# Altium PCB Mahdian_UIR.PcbDoc (part 3 of 3)
Units mm, origin at the board's own origin, x right, y up, seen from the top; angles counter-clockwise.
Board outline 116.21 x 95.88 mm, 2 copper layers (Top Layer, Bottom Layer); 77 components, 53 nets, 216 pads, 0 vias.
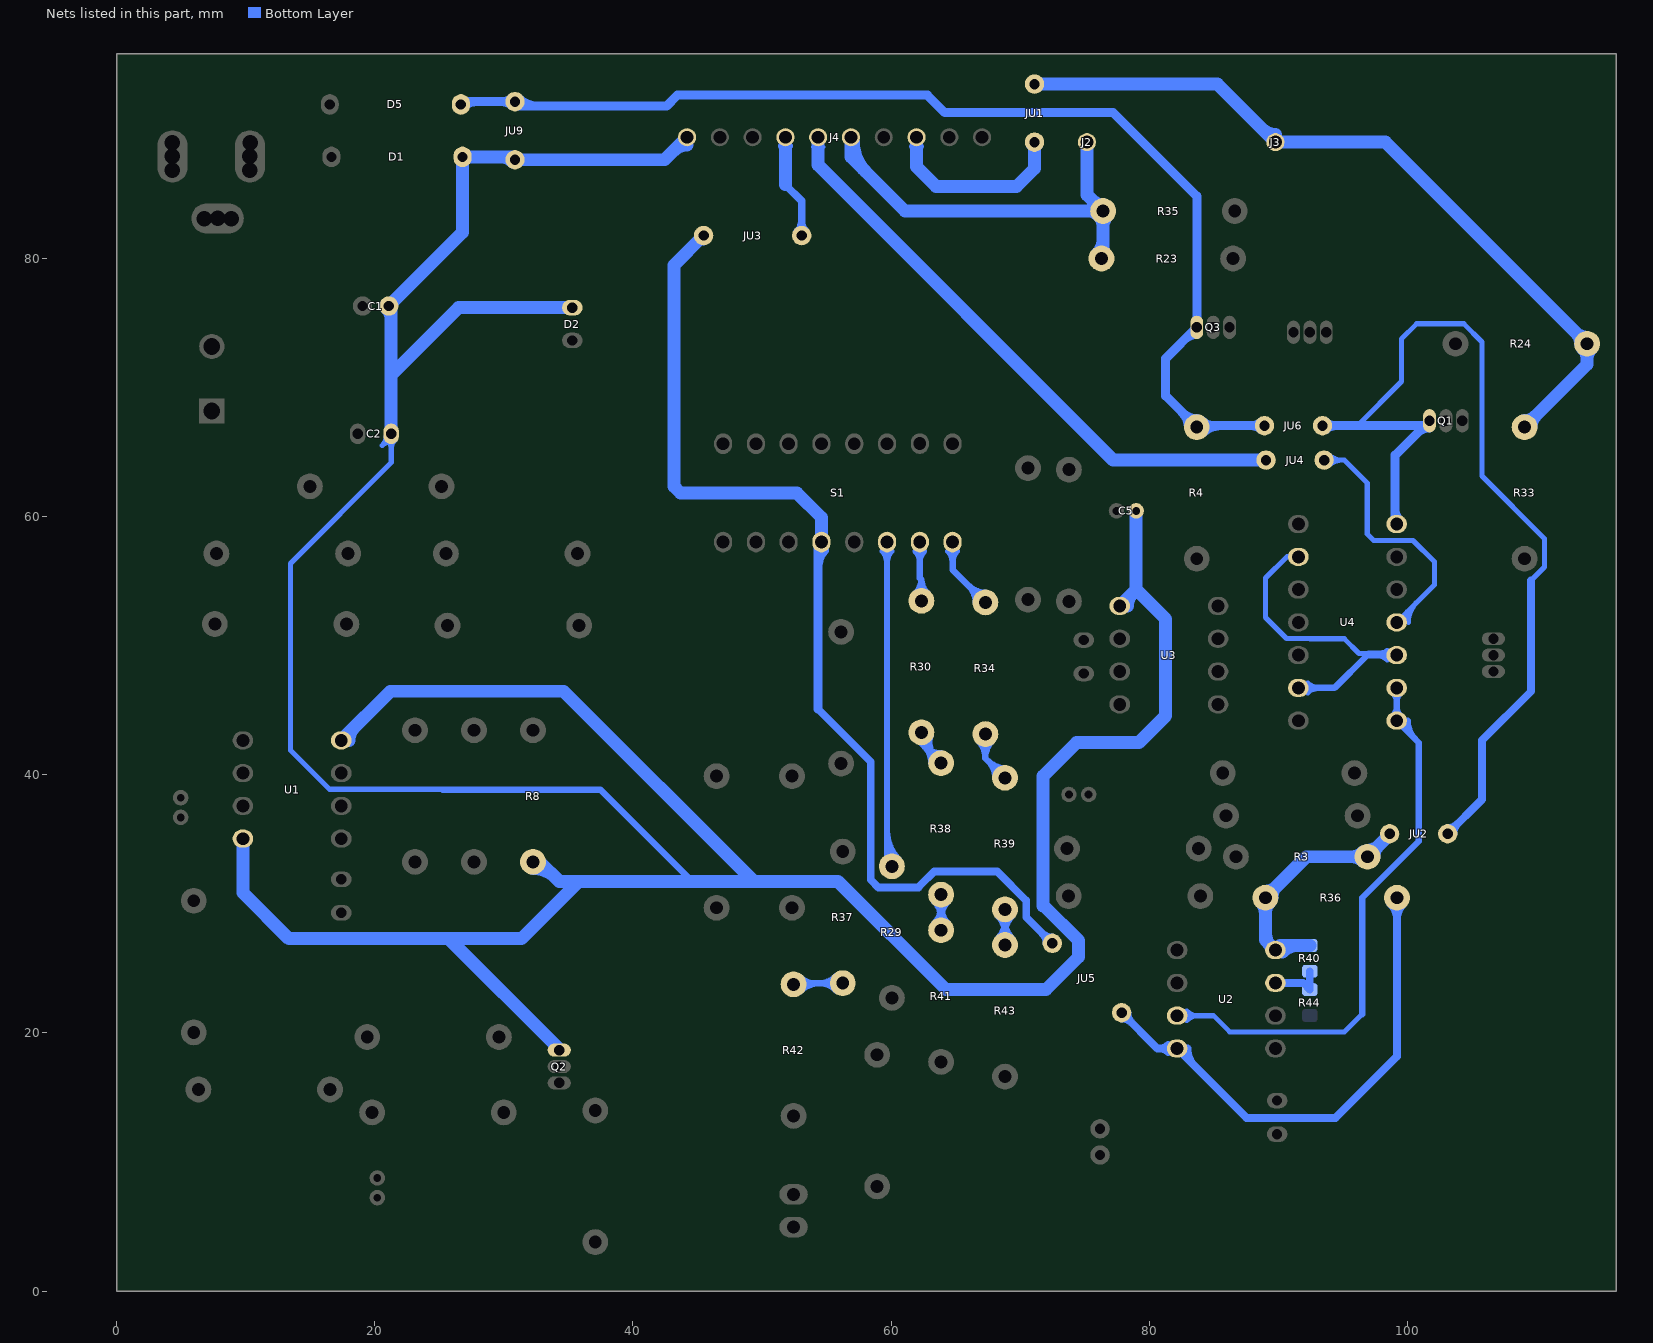
[diagram p3: the nets of this part, all layers, seen from the top]

## Nets (pads, with @x,y where several pads share a name; then routed paths per layer and width w, separated by ;. In a path a pad name is that pad's centre, name@x,y a point inside that pad or via, vN(x,y) a via of type N, cw(c..) or ccw(c..) an arc to the next point about the centre after c; other vN are vias at no path point) (continued)
NetR29_2: R29.2 S1.14 | length 47.9
  Bottom Layer w0.5: S1.14@59.69,58.039 59.69,33.294 R29.2@60.071,32.913 ; S1.14@59.372,57.321 cw(c58.604,56.553) 59.69,56.553 ; S1.14@59.372,57.321 cw(c58.604,56.553) 59.69,56.553 ; S1.14@59.372,57.321 cw(c58.604,56.553) 59.69,56.553 ; S1.14@59.372,57.321 cw(c58.604,56.553) 59.69,56.553 ; 59.69,34.436 ccw(c61.594,34.436) R29.2@60.248,33.09 ; 59.69,34.436 ccw(c61.594,34.436) R29.2@60.248,33.09 ; 59.69,34.436 ccw(c61.594,34.436) R29.2@60.248,33.09 ; 59.69,34.436 ccw(c61.594,34.436) R29.2@60.248,33.09 ; 59.69,35.643 ccw(c62.801,35.643) R29.2@60.601,33.443 ; 59.69,35.643 ccw(c62.801,35.643) R29.2@60.601,33.443 ; 59.69,35.643 ccw(c62.801,35.643) R29.2@60.601,33.443 ; 59.69,35.643 ccw(c62.801,35.643) R29.2@60.601,33.443 ; 59.69,56.553 cw(c60.776,56.553) S1.14@60.008,57.321 ; 59.69,56.553 cw(c60.776,56.553) S1.14@60.008,57.321 ; 59.69,56.553 cw(c60.776,56.553) S1.14@60.008,57.321 ; 59.69,56.553 cw(c60.776,56.553) S1.14@60.008,57.321
NetR30_1: R30.1 R38.2 | length 27.4
  Bottom Layer w0.5: R30.1@62.357,43.287 62.357,42.438 R38.2@63.881,40.914 ; R30.1@62.593,43.205 ccw(c63.782,42.793) 62.892,41.903 ; R30.1@62.593,43.205 ccw(c63.782,42.793) 62.892,41.903 ; R30.1@62.593,43.205 ccw(c63.782,42.793) 62.892,41.903 ; R30.1@62.593,43.205 ccw(c63.782,42.793) 62.892,41.903 ; 62.601,42.194 cw(c61.32,40.914) R38.2@63.131,40.914 ; 62.601,42.194 ccw(c63.881,43.475) R38.2@63.881,41.664 ; 62.601,42.194 cw(c61.32,40.914) R38.2@63.131,40.914 ; 62.601,42.194 ccw(c63.881,43.475) R38.2@63.881,41.664 ; 62.601,42.194 cw(c61.32,40.914) R38.2@63.131,40.914 ; 62.601,42.194 ccw(c63.881,43.475) R38.2@63.881,41.664 ; 62.601,42.194 ccw(c63.881,43.475) R38.2@63.881,41.664 ; 62.601,42.194 cw(c61.32,40.914) R38.2@63.131,40.914 ; R30.1@63.066,43.041 ccw(c64.62,42.502) R38.2@63.456,41.339 ; R30.1@63.066,43.041 ccw(c64.62,42.502) R38.2@63.456,41.339 ; R30.1@63.066,43.041 ccw(c64.62,42.502) R38.2@63.456,41.339 ; R30.1@63.066,43.041 ccw(c64.62,42.502) R38.2@63.456,41.339
NetR30_2: R30.2 S1.15 | length 21.1
  Bottom Layer w0.5: S1.15@62.23,58.039 62.23,55.245 62.357,55.118 ; R30.2@62.357,53.487 62.357,55.118 ; R30.2@61.869,54.056 ccw(c60.959,55.118) 62.357,55.118 ; R30.2@61.869,54.056 ccw(c60.959,55.118) 62.357,55.118 ; R30.2@61.869,54.056 ccw(c60.959,55.118) 62.357,55.118 ; R30.2@61.869,54.056 ccw(c60.959,55.118) 62.357,55.118 ; S1.15@61.912,57.321 cw(c61.144,56.553) 62.23,56.553 ; S1.15@61.912,57.321 cw(c61.144,56.553) 62.23,56.553 ; S1.15@61.912,57.321 cw(c61.144,56.553) 62.23,56.553 ; S1.15@61.912,57.321 cw(c61.144,56.553) 62.23,56.553 ; 62.23,56.553 cw(c63.316,56.553) S1.15@62.548,57.321 ; 62.23,56.553 cw(c63.316,56.553) S1.15@62.548,57.321 ; 62.23,56.553 cw(c63.316,56.553) S1.15@62.548,57.321 ; 62.23,56.553 cw(c63.316,56.553) S1.15@62.548,57.321 ; 62.357,55.118 ccw(c63.755,55.118) R30.2@62.845,54.056 ; 62.357,55.118 ccw(c63.755,55.118) R30.2@62.845,54.056 ; 62.357,55.118 ccw(c63.755,55.118) R30.2@62.845,54.056 ; 62.357,55.118 ccw(c63.755,55.118) R30.2@62.845,54.056
NetR34_1: R34.1 R39.2 | length 26.8
  Bottom Layer w0.5: R34.1@67.31,43.16 67.31,41.295 R39.2@68.834,39.771 ; R34.1@66.78,42.63 cw(c65.499,41.349) 67.31,41.349 ; R34.1@66.78,42.63 cw(c65.499,41.349) 67.31,41.349 ; R34.1@66.78,42.63 cw(c65.499,41.349) 67.31,41.349 ; R34.1@66.78,42.63 cw(c65.499,41.349) 67.31,41.349 ; 67.31,41.349 cw(c69.121,41.349) R34.1@67.84,42.63 ; 67.31,41.349 cw(c69.121,41.349) R34.1@67.84,42.63 ; 67.31,41.349 cw(c69.121,41.349) R34.1@67.84,42.63 ; 67.31,41.349 cw(c69.121,41.349) R34.1@67.84,42.63 ; 67.554,41.051 cw(c66.273,39.771) R39.2@68.084,39.771 ; 67.554,41.051 ccw(c68.834,42.332) R39.2@68.834,40.521 ; 67.554,41.051 cw(c66.273,39.771) R39.2@68.084,39.771 ; 67.554,41.051 ccw(c68.834,42.332) R39.2@68.834,40.521 ; 67.554,41.051 cw(c66.273,39.771) R39.2@68.084,39.771 ; 67.554,41.051 ccw(c68.834,42.332) R39.2@68.834,40.521 ; 67.554,41.051 ccw(c68.834,42.332) R39.2@68.834,40.521 ; 67.554,41.051 cw(c66.273,39.771) R39.2@68.084,39.771
NetR34_2: R34.2 S1.16 | length 23.9
  Bottom Layer w0.5: S1.16@64.77,58.039 64.77,55.9 R34.2@67.31,53.36 ; S1.16@64.452,57.321 cw(c63.684,56.553) 64.77,56.553 ; S1.16@64.452,57.321 cw(c63.684,56.553) 64.77,56.553 ; S1.16@64.452,57.321 cw(c63.684,56.553) 64.77,56.553 ; S1.16@64.452,57.321 cw(c63.684,56.553) 64.77,56.553 ; 64.77,56.553 cw(c65.856,56.553) S1.16@65.088,57.321 ; 64.77,56.553 cw(c65.856,56.553) S1.16@65.088,57.321 ; 64.77,56.553 cw(c65.856,56.553) S1.16@65.088,57.321 ; 64.77,56.553 cw(c65.856,56.553) S1.16@65.088,57.321 ; 66.03,54.64 cw(c64.749,53.36) R34.2@66.56,53.36 ; 66.03,54.64 ccw(c67.31,55.921) R34.2@67.31,54.11 ; 66.03,54.64 cw(c64.749,53.36) R34.2@66.56,53.36 ; 66.03,54.64 ccw(c67.31,55.921) R34.2@67.31,54.11 ; 66.03,54.64 cw(c64.749,53.36) R34.2@66.56,53.36 ; 66.03,54.64 ccw(c67.31,55.921) R34.2@67.31,54.11 ; 66.03,54.64 ccw(c67.31,55.921) R34.2@67.31,54.11 ; 66.03,54.64 cw(c64.749,53.36) R34.2@66.56,53.36
NetR37_1: R37.1 R42.2 | length 26.7
  Bottom Layer w0.5: R42.2@52.491,23.729 R42.2@52.451,23.769 52.538,23.856 R37.1@56.261,23.856 ; R42.2@52.981,23.239 cw(c54.472,21.748) 54.472,23.856 ; R42.2@52.981,23.239 cw(c54.472,21.748) 54.472,23.856 ; R42.2@52.981,23.239 cw(c54.472,21.748) 54.472,23.856 ; R42.2@52.981,23.239 cw(c54.472,21.748) 54.472,23.856 ; R42.2@52.981,24.299 ccw(c54.052,25.37) 54.052,23.856 ; R42.2@52.981,24.299 ccw(c54.052,25.37) 54.052,23.856 ; R42.2@52.981,24.299 ccw(c54.052,25.37) 54.052,23.856 ; R42.2@52.981,24.299 ccw(c54.052,25.37) 54.052,23.856 ; 54.45,23.856 cw(c54.45,22.045) R37.1@55.731,23.326 ; 54.45,23.856 ccw(c54.45,25.667) R37.1@55.731,24.386 ; 54.45,23.856 cw(c54.45,22.045) R37.1@55.731,23.326 ; 54.45,23.856 ccw(c54.45,25.667) R37.1@55.731,24.386 ; 54.45,23.856 cw(c54.45,22.045) R37.1@55.731,23.326 ; 54.45,23.856 ccw(c54.45,25.667) R37.1@55.731,24.386 ; 54.45,23.856 ccw(c54.45,25.667) R37.1@55.731,24.386 ; 54.45,23.856 cw(c54.45,22.045) R37.1@55.731,23.326
NetR38_1: R38.1 R41.2 | length 25.5
  Bottom Layer w0.5: R41.2@63.881,27.96 R38.1@63.881,30.714 ; R41.2@63.351,28.49 ccw(c62.07,29.771) R38.1@63.881,29.771 ; R41.2@63.351,28.49 ccw(c62.07,29.771) R38.1@63.881,29.771 ; R41.2@63.351,28.49 ccw(c62.07,29.771) R38.1@63.881,29.771 ; R41.2@63.351,28.49 ccw(c62.07,29.771) R38.1@63.881,29.771 ; R38.1@63.351,30.184 cw(c62.07,28.903) R41.2@63.881,28.903 ; R38.1@63.351,30.184 cw(c62.07,28.903) R41.2@63.881,28.903 ; R38.1@63.351,30.184 cw(c62.07,28.903) R41.2@63.881,28.903 ; R38.1@63.351,30.184 cw(c62.07,28.903) R41.2@63.881,28.903 ; R41.2@63.881,28.903 cw(c65.692,28.903) R38.1@64.411,30.184 ; R41.2@63.881,28.903 cw(c65.692,28.903) R38.1@64.411,30.184 ; R41.2@63.881,28.903 cw(c65.692,28.903) R38.1@64.411,30.184 ; R41.2@63.881,28.903 cw(c65.692,28.903) R38.1@64.411,30.184 ; R38.1@63.881,29.771 ccw(c65.692,29.771) R41.2@64.411,28.49 ; R38.1@63.881,29.771 ccw(c65.692,29.771) R41.2@64.411,28.49 ; R38.1@63.881,29.771 ccw(c65.692,29.771) R41.2@64.411,28.49 ; R38.1@63.881,29.771 ccw(c65.692,29.771) R41.2@64.411,28.49
NetR39_1: R39.1 R43.2 | length 25.5
  Bottom Layer w0.5: R43.2@68.834,26.817 R39.1@68.834,29.571 ; R43.2@68.304,27.347 ccw(c67.023,28.628) R39.1@68.834,28.628 ; R43.2@68.304,27.347 ccw(c67.023,28.628) R39.1@68.834,28.628 ; R43.2@68.304,27.347 ccw(c67.023,28.628) R39.1@68.834,28.628 ; R43.2@68.304,27.347 ccw(c67.023,28.628) R39.1@68.834,28.628 ; R39.1@68.304,29.041 cw(c67.023,27.76) R43.2@68.834,27.76 ; R39.1@68.304,29.041 cw(c67.023,27.76) R43.2@68.834,27.76 ; R39.1@68.304,29.041 cw(c67.023,27.76) R43.2@68.834,27.76 ; R39.1@68.304,29.041 cw(c67.023,27.76) R43.2@68.834,27.76 ; R43.2@68.834,27.76 cw(c70.645,27.76) R39.1@69.364,29.041 ; R43.2@68.834,27.76 cw(c70.645,27.76) R39.1@69.364,29.041 ; R43.2@68.834,27.76 cw(c70.645,27.76) R39.1@69.364,29.041 ; R43.2@68.834,27.76 cw(c70.645,27.76) R39.1@69.364,29.041 ; R39.1@68.834,28.628 ccw(c70.645,28.628) R43.2@69.364,27.347 ; R39.1@68.834,28.628 ccw(c70.645,28.628) R43.2@69.364,27.347 ; R39.1@68.834,28.628 ccw(c70.645,28.628) R43.2@69.364,27.347 ; R39.1@68.834,28.628 ccw(c70.645,28.628) R43.2@69.364,27.347
NetR40_1: R40.1 R44.2 U2.7 | length 4.3
  Bottom Layer w0.6: U2.7@89.789,23.876 91.932,23.876 R44.2@92.456,23.352 R40.1@92.456,24.781
NetU2_3: U2.3 U4.8 U4.9 | length 70.9
  Bottom Layer w0.4: U2.3@82.169,21.336 85.002,21.336 86.252,20.086 95.143,20.086 96.52,21.463 ; U2.3@82.923,20.982 cw(c83.776,20.129) 83.776,21.336 ; U2.3@82.923,20.982 cw(c83.776,20.129) 83.776,21.336 ; U2.3@82.923,20.982 cw(c83.776,20.129) 83.776,21.336 ; U2.3@82.923,20.982 cw(c83.776,20.129) 83.776,21.336 ; U2.3@82.923,21.69 ccw(c83.776,22.543) 83.776,21.336 ; U2.3@82.923,21.69 ccw(c83.776,22.543) 83.776,21.336 ; U2.3@82.923,21.69 ccw(c83.776,22.543) 83.776,21.336 ; U2.3@82.923,21.69 ccw(c83.776,22.543) 83.776,21.336
  Bottom Layer w0.5: 96.52,21.463 96.52,30.48 100.887,34.847 100.887,42.496 U4.8@99.187,44.196 U4.9@99.187,46.736 ; U4.8@98.869,44.514 ccw(c98.101,45.282) 99.187,45.282 ; U4.8@98.869,44.514 ccw(c98.101,45.282) 99.187,45.282 ; U4.8@98.869,44.514 ccw(c98.101,45.282) 99.187,45.282 ; U4.8@98.869,44.514 ccw(c98.101,45.282) 99.187,45.282 ; U4.9@98.869,46.418 cw(c98.101,45.65) 99.187,45.65 ; U4.9@98.869,46.418 cw(c98.101,45.65) 99.187,45.65 ; U4.9@98.869,46.418 cw(c98.101,45.65) 99.187,45.65 ; U4.9@98.869,46.418 cw(c98.101,45.65) 99.187,45.65 ; 99.187,45.282 ccw(c100.273,45.282) U4.8@99.505,44.514 ; 99.187,45.282 ccw(c100.273,45.282) U4.8@99.505,44.514 ; 99.187,45.282 ccw(c100.273,45.282) U4.8@99.505,44.514 ; 99.187,45.282 ccw(c100.273,45.282) U4.8@99.505,44.514 ; 99.187,45.65 cw(c100.273,45.65) U4.9@99.505,46.418 ; 99.187,45.65 cw(c100.273,45.65) U4.9@99.505,46.418 ; 99.187,45.65 cw(c100.273,45.65) U4.9@99.505,46.418 ; 99.187,45.65 cw(c100.273,45.65) U4.9@99.505,46.418 ; U4.8@100.037,44.196 ccw(c102.089,44.196) 100.638,42.745 ; U4.8@100.037,44.196 ccw(c102.089,44.196) 100.638,42.745 ; U4.8@100.037,44.196 ccw(c102.089,44.196) 100.638,42.745 ; U4.8@100.037,44.196 ccw(c102.089,44.196) 100.638,42.745
NetU4_2: U4.2 U4.6 U4.10 | length 46.8
  Bottom Layer w0.4: U4.2@91.567,56.896 90.678,56.896 89.027,55.245 89.027,52.188 90.649,50.566 92.445,50.566 92.465,50.546 95.123,50.546 96.266,49.403 97.028,49.403
  Bottom Layer w0.5: U4.6@91.567,46.736 94.361,46.736 96.901,49.276 U4.10@99.187,49.276 99.06,49.403 97.028,49.403 ; U4.6@92.285,46.418 cw(c93.053,45.65) 93.053,46.736 ; U4.6@92.285,46.418 cw(c93.053,45.65) 93.053,46.736 ; U4.6@92.285,46.418 cw(c93.053,45.65) 93.053,46.736 ; U4.6@92.285,46.418 cw(c93.053,45.65) 93.053,46.736 ; U4.6@92.285,47.054 ccw(c93.053,47.822) 93.053,46.736 ; U4.6@92.285,47.054 ccw(c93.053,47.822) 93.053,46.736 ; U4.6@92.285,47.054 ccw(c93.053,47.822) 93.053,46.736 ; U4.6@92.285,47.054 ccw(c93.053,47.822) 93.053,46.736 ; 97.394,49.403 cw(c97.394,47.883) U4.10@98.469,48.958 ; 97.394,49.403 cw(c97.394,47.883) U4.10@98.469,48.958 ; 97.394,49.403 cw(c97.394,47.883) U4.10@98.469,48.958 ; 97.394,49.403 cw(c97.394,47.883) U4.10@98.469,48.958 ; 97.701,49.276 cw(c97.701,48.19) U4.10@98.469,48.958 ; 97.701,49.276 ccw(c97.701,50.362) U4.10@98.469,49.594 ; 97.701,49.276 cw(c97.701,48.19) U4.10@98.469,48.958 ; 97.701,49.276 ccw(c97.701,50.362) U4.10@98.469,49.594 ; 97.701,49.276 cw(c97.701,48.19) U4.10@98.469,48.958 ; 97.701,49.276 ccw(c97.701,50.362) U4.10@98.469,49.594 ; 97.701,49.276 ccw(c97.701,50.362) U4.10@98.469,49.594 ; 97.701,49.276 cw(c97.701,48.19) U4.10@98.469,48.958 ; 98.007,49.403 ccw(c98.007,50.056) U4.10@98.469,49.594 ; 98.007,49.403 ccw(c98.007,50.056) U4.10@98.469,49.594 ; 98.007,49.403 ccw(c98.007,50.056) U4.10@98.469,49.594 ; 98.007,49.403 ccw(c98.007,50.056) U4.10@98.469,49.594
VCC: C1.1 C2.2 C5.1 D1.2 D2.1 D5.2 J4.1 JU2.1 JU2.2 JU6.1 JU6.2 JU9.1 JU9.2 Q1.3 Q2.3 Q3.3 R3.2 R4.2 R8.1 R36.2 R40.2 U1.4 U1.8 U2.8 U3.1 U4.14 | length 625
  Bottom Layer w0.4: C2.2@21.269,66.421 21.269,64.195 13.462,56.388 13.462,41.901 16.481,38.882 25.253,38.882 25.273,38.862 ; 96.139,67.056 99.568,70.485 99.568,73.787 100.737,74.956 104.381,74.956 105.791,73.546 105.791,63.151 110.643,58.299 110.643,56.107 109.601,55.065 ; JU2.1@98.637,35.371 JU2.1@98.637,35.433 ; JU2.2@103.137,35.983 ccw(c103.137,37.311) 104.076,36.372 ccw(c105.015,35.433) JU2.2@103.687,35.433 ; 21.269,65.255 cw(c22.235,65.255) 21.552,65.938 ccw(c22.235,65.255) 21.269,65.255 ; 21.269,65.255 ccw(c20.303,65.255) 20.986,65.938 cw(c20.303,65.255) 21.269,65.255 ; 20.576,65.534 cw(c21.269,64.841) 21.269,65.821 ccw(c21.269,64.841) 20.576,65.534 ; 20.59,65.548 ccw(c19.918,66.221) 20.869,66.221 cw(c19.918,66.221) 20.59,65.548
  Bottom Layer w0.5: 25.273,38.862 37.465,38.862 44.577,31.75
  Bottom Layer w0.6: JU2.2@103.137,35.433 105.791,38.087 105.791,42.672 109.601,46.482 109.601,55.065 ; JU2.2@103.137,35.883 ccw(c103.137,36.969) 103.905,36.201 ; JU2.2@103.137,35.883 ccw(c103.137,36.969) 103.905,36.201 ; JU2.2@103.137,35.883 ccw(c103.137,36.969) 103.905,36.201 ; JU2.2@103.587,35.433 cw(c104.673,35.433) 103.905,36.201 ; JU2.2@103.587,35.433 cw(c104.673,35.433) 103.905,36.201 ; JU2.2@103.587,35.433 cw(c104.673,35.433) 103.905,36.201
  Bottom Layer w0.7: D5.2@26.67,91.948 26.888,92.166 JU9.2@30.861,92.166 ; JU9.2@30.861,91.821 42.603,91.821 43.449,92.667 62.813,92.667 64.167,91.313 77.216,91.313 83.693,84.836 Q3.3@83.693,74.676 81.28,72.263 81.28,69.362 R4.2@83.693,66.949 83.8,67.056 JU6.1@88.936,67.056 ; JU6.2@93.436,67.056 96.139,67.056 Q1.3@101.346,67.056 ; U4.14@99.187,59.436 99.06,59.563 99.06,64.77 Q1.3@101.346,67.056 ; Q1.3@101.727,67.437 Q1.3@101.346,67.056 ; D5.2@26.917,91.801 cw(c27.8,90.918) 27.8,92.166 ; D5.2@26.917,91.801 cw(c27.8,90.918) 27.8,92.166 ; D5.2@26.917,91.801 cw(c27.8,90.918) 27.8,92.166 ; D5.2@26.917,91.801 cw(c27.8,90.918) 27.8,92.166 ; 29.895,92.166 cw(c29.895,91.2) JU9.2@30.578,91.883 ; 29.895,92.166 ccw(c29.895,93.132) JU9.2@30.578,92.449 ; 29.895,92.166 cw(c29.895,91.2) JU9.2@30.578,91.883 ; 29.895,92.166 ccw(c29.895,93.132) JU9.2@30.578,92.449 ; 29.895,92.166 cw(c29.895,91.2) JU9.2@30.578,91.883 ; 29.895,92.166 ccw(c29.895,93.132) JU9.2@30.578,92.449 ; 29.895,92.166 ccw(c29.895,93.132) JU9.2@30.578,92.449 ; 29.895,92.166 cw(c29.895,91.2) JU9.2@30.578,91.883 ; JU9.2@31.144,92.449 ccw(c32.66,93.965) 32.66,91.821 ; JU9.2@31.144,92.449 ccw(c32.66,93.965) 32.66,91.821 ; JU9.2@31.144,92.449 ccw(c32.66,93.965) 32.66,91.821 ; JU9.2@31.144,92.449 ccw(c32.66,93.965) 32.66,91.821 ; 82.583,68.059 cw(c81.474,66.949) R4.2@83.043,66.949 ; 82.583,68.059 ccw(c83.693,69.168) R4.2@83.693,67.599 ; 82.583,68.059 cw(c81.474,66.949) R4.2@83.043,66.949 ; 82.583,68.059 ccw(c83.693,69.168) R4.2@83.693,67.599 ; 82.583,68.059 cw(c81.474,66.949) R4.2@83.043,66.949 ; 82.583,68.059 ccw(c83.693,69.168) R4.2@83.693,67.599 ; 82.583,68.059 ccw(c83.693,69.168) R4.2@83.693,67.599 ; 82.583,68.059 cw(c81.474,66.949) R4.2@83.043,66.949 ; 82.754,73.737 cw(c83.693,72.798) Q3.3@83.693,74.126 ; 82.754,73.737 cw(c83.693,72.798) Q3.3@83.693,74.126 ; 82.754,73.737 cw(c83.693,72.798) Q3.3@83.693,74.126 ; 82.754,73.737 cw(c83.693,72.798) Q3.3@83.693,74.126 ; R4.2@84.153,66.489 cw(c85.521,65.121) 85.521,67.056 ; R4.2@84.153,66.489 cw(c85.521,65.121) 85.521,67.056 ; R4.2@84.153,66.489 cw(c85.521,65.121) 85.521,67.056 ; R4.2@84.153,66.489 cw(c85.521,65.121) 85.521,67.056 ; R4.2@84.153,67.409 ccw(c85.004,68.26) 85.004,67.056 ; R4.2@84.153,67.409 ccw(c85.004,68.26) 85.004,67.056 ; R4.2@84.153,67.409 ccw(c85.004,68.26) 85.004,67.056 ; R4.2@84.153,67.409 ccw(c85.004,68.26) 85.004,67.056 ; 87.97,67.056 cw(c87.97,66.09) JU6.1@88.653,66.773 ; 87.97,67.056 ccw(c87.97,68.022) JU6.1@88.653,67.339 ; 87.97,67.056 cw(c87.97,66.09) JU6.1@88.653,66.773 ; 87.97,67.056 ccw(c87.97,68.022) JU6.1@88.653,67.339 ; 87.97,67.056 cw(c87.97,66.09) JU6.1@88.653,66.773 ; 87.97,67.056 ccw(c87.97,68.022) JU6.1@88.653,67.339 ; 87.97,67.056 ccw(c87.97,68.022) JU6.1@88.653,67.339 ; 87.97,67.056 cw(c87.97,66.09) JU6.1@88.653,66.773 ; JU6.2@93.719,66.773 cw(c94.402,66.09) 94.402,67.056 ; JU6.2@93.719,66.773 cw(c94.402,66.09) 94.402,67.056 ; JU6.2@93.719,66.773 cw(c94.402,66.09) 94.402,67.056 ; JU6.2@93.719,66.773 cw(c94.402,66.09) 94.402,67.056 ; JU6.2@93.719,67.339 ccw(c94.402,68.022) 94.402,67.056 ; JU6.2@93.719,67.339 ccw(c94.402,68.022) 94.402,67.056 ; JU6.2@93.719,67.339 ccw(c94.402,68.022) 94.402,67.056 ; JU6.2@93.719,67.339 ccw(c94.402,68.022) 94.402,67.056 ; 99.06,60.588 ccw(c100.339,60.588) U4.14@99.434,59.683 ; 99.06,60.588 ccw(c100.339,60.588) U4.14@99.434,59.683 ; 99.06,60.588 ccw(c100.339,60.588) U4.14@99.434,59.683 ; 99.06,60.588 ccw(c100.339,60.588) U4.14@99.434,59.683 ; 100.788,66.498 cw(c101.727,65.559) Q1.3@101.727,66.887 ; 100.788,66.498 cw(c101.727,65.559) Q1.3@101.727,66.887 ; 100.788,66.498 cw(c101.727,65.559) Q1.3@101.727,66.887 ; 100.788,66.498 cw(c101.727,65.559) Q1.3@101.727,66.887
  Bottom Layer w1: U1.4@9.779,35.052 9.779,30.861 13.335,27.305 25.734,27.305 ; U1.8@17.399,42.672 21.209,46.482 34.624,46.482 49.356,31.75 ; C2.2@21.269,66.421 21.269,70.993 ; R8.1@32.258,33.254 32.786,33.254 34.29,31.75 35.814,31.75 ; Q2.3@34.29,18.749 25.734,27.305 ; D2.1@35.306,76.2 26.476,76.2 21.269,70.993 ; J4.1@44.196,89.408 42.454,87.666 JU9.1@30.861,87.666 30.643,87.884 D1.2@26.797,87.884 26.797,82.042 C1.1@21.082,76.327 21.269,76.14 21.269,70.993 ; U3.1@77.724,53.086 78.994,54.356 ; C5.1@78.994,60.452 78.994,54.356 ; R40.2@92.456,26.781 90.154,26.781 U2.8@89.789,26.416 89.007,27.198 R36.2@89.007,30.48 92.182,33.655 R3.2@96.921,33.655 JU2.1@98.637,35.371 ; U1.8@17.999,42.672 cw(c19.448,42.672) 18.423,43.696 ; U1.8@17.999,42.672 cw(c19.448,42.672) 18.423,43.696 ; U1.8@17.999,42.672 cw(c19.448,42.672) 18.423,43.696 ; U1.8@17.999,42.672 cw(c19.448,42.672) 18.423,43.696 ; C1.1@20.905,76.15 cw(c20.027,75.272) 21.269,75.272 ; C1.1@20.905,76.15 cw(c20.027,75.272) 21.269,75.272 ; C1.1@20.905,76.15 cw(c20.027,75.272) 21.269,75.272 ; C1.1@20.905,76.15 cw(c20.027,75.272) 21.269,75.272 ; 25.734,27.305 31.369,27.305 35.814,31.75 ; 29.731,87.884 cw(c29.731,86.536) JU9.1@30.684,87.489 ; 29.731,87.884 cw(c29.731,86.536) JU9.1@30.684,87.489 ; 29.731,87.884 cw(c29.731,86.536) JU9.1@30.684,87.489 ; 29.731,87.884 cw(c29.731,86.536) JU9.1@30.684,87.489 ; R8.1@32.258,32.754 cw(c32.258,30.272) 34.013,32.027 ; R8.1@32.258,32.754 cw(c32.258,30.272) 34.013,32.027 ; R8.1@32.258,32.754 cw(c32.258,30.272) 34.013,32.027 ; R8.1@32.258,32.754 cw(c32.258,30.272) 34.013,32.027 ; 35.814,31.75 44.577,31.75 49.356,31.75 ; 43.172,88.384 cw(c44.196,87.359) J4.1@44.196,88.808 ; 43.172,88.384 cw(c44.196,87.359) J4.1@44.196,88.808 ; 43.172,88.384 cw(c44.196,87.359) J4.1@44.196,88.808 ; 43.172,88.384 cw(c44.196,87.359) J4.1@44.196,88.808 ; 49.356,31.75 55.88,31.75 64.262,23.368 72.009,23.368 74.526,25.885 74.526,27.178 71.859,29.845 71.79,29.845 71.79,39.917 74.371,42.498 79.201,42.498 81.28,44.577 81.28,52.07 78.994,54.356 ; U3.1@78.324,53.086 cw(c79.773,53.086) 78.748,54.11 ; U3.1@78.324,53.086 cw(c79.773,53.086) 78.748,54.11 ; U3.1@78.324,53.086 cw(c79.773,53.086) 78.748,54.11 ; U3.1@78.324,53.086 cw(c79.773,53.086) 78.748,54.11 ; R36.2@88.653,30.126 cw(c87.8,29.273) 89.007,29.273 ; R36.2@88.653,30.126 cw(c87.8,29.273) 89.007,29.273 ; R36.2@88.653,30.126 cw(c87.8,29.273) 89.007,29.273 ; R36.2@88.653,30.126 cw(c87.8,29.273) 89.007,29.273 ; 89.007,27.821 ccw(c90.794,27.821) U2.8@89.53,26.557 ; 89.007,27.821 ccw(c90.794,27.821) U2.8@89.53,26.557 ; 89.007,27.821 ccw(c90.794,27.821) U2.8@89.53,26.557 ; 89.007,27.821 ccw(c90.794,27.821) U2.8@89.53,26.557 ; 89.007,29.273 cw(c90.214,29.273) R36.2@89.361,30.126 ; 89.007,29.273 cw(c90.214,29.273) R36.2@89.361,30.126 ; 89.007,29.273 cw(c90.214,29.273) R36.2@89.361,30.126 ; 89.007,29.273 cw(c90.214,29.273) R36.2@89.361,30.126 ; R36.2@89.007,30.98 ccw(c89.007,32.187) 89.861,31.334 ; R36.2@89.007,30.98 ccw(c89.007,32.187) 89.861,31.334 ; R36.2@89.007,30.98 ccw(c89.007,32.187) 89.861,31.334 ; R36.2@89.007,30.98 ccw(c89.007,32.187) 89.861,31.334 ; R36.2@89.507,30.48 cw(c90.714,30.48) 89.861,31.334 ; R36.2@89.507,30.48 cw(c90.714,30.48) 89.861,31.334 ; R36.2@89.507,30.48 cw(c90.714,30.48) 89.861,31.334 ; R36.2@89.507,30.48 cw(c90.714,30.48) 89.861,31.334 ; U2.8@90.33,26.275 cw(c91.553,25.052) 91.553,26.781 ; U2.8@90.33,26.275 cw(c91.553,25.052) 91.553,26.781 ; U2.8@90.33,26.275 cw(c91.553,25.052) 91.553,26.781 ; U2.8@90.33,26.275 cw(c91.553,25.052) 91.553,26.781 ; 95.714,33.655 cw(c95.714,32.448) R3.2@96.567,33.301 ; 95.714,33.655 ccw(c95.714,34.862) R3.2@96.567,34.009 ; 95.714,33.655 cw(c95.714,32.448) R3.2@96.567,33.301 ; 95.714,33.655 ccw(c95.714,34.862) R3.2@96.567,34.009 ; 95.714,33.655 cw(c95.714,32.448) R3.2@96.567,33.301 ; 95.714,33.655 ccw(c95.714,34.862) R3.2@96.567,34.009 ; 95.714,33.655 ccw(c95.714,34.862) R3.2@96.567,34.009 ; 95.714,33.655 cw(c95.714,32.448) R3.2@96.567,33.301 ; R3.2@96.921,34.155 ccw(c96.921,35.362) 97.775,34.509 ; R3.2@96.921,34.155 ccw(c96.921,35.362) 97.775,34.509 ; R3.2@96.921,34.155 ccw(c96.921,35.362) 97.775,34.509 ; R3.2@96.921,34.155 ccw(c96.921,35.362) 97.775,34.509 ; R3.2@97.421,33.655 cw(c98.628,33.655) 97.775,34.509 ; R3.2@97.421,33.655 cw(c98.628,33.655) 97.775,34.509 ; R3.2@97.421,33.655 cw(c98.628,33.655) 97.775,34.509 ; R3.2@97.421,33.655 cw(c98.628,33.655) 97.775,34.509
X1-4: J4.4 JU3.1 JU3.2 JU5.1 JU5.2 R36.1 S1.12 U2.4 | length 174.8
  Bottom Layer w0.6: JU3.1@45.026,81.788 cw(c43.94,81.788) 44.708,81.02 cw(c45.476,80.252) JU3.1@45.476,81.338 ; 51.816,85.725 53.076,84.465 JU3.2@53.076,81.788 ; 54.356,45.085 58.421,41.02 58.421,31.876 59.034,31.263 62.124,31.263 ; S1.12@54.356,58.039 S1.12@54.61,58.039 ; 62.231,31.397 63.346,32.512 68.226,32.512 70.484,30.254 70.484,28.957 JU5.2@72.497,26.944 ; JU5.1@77.871,21.57 80.645,18.796 U2.4@82.169,18.796 87.553,13.412 90.634,13.412 94.438,13.412 99.207,18.181 R36.1@99.207,30.48 ; R36.1@98.712,29.985 cw(c97.517,28.79) 99.207,28.79 cw(c100.897,28.79) R36.1@99.702,29.985 ; J4.4@51.533,88.725 cw(c50.85,88.042) 51.816,88.042 ; J4.4@51.533,88.725 cw(c50.85,88.042) 51.816,88.042 ; J4.4@51.533,88.725 cw(c50.85,88.042) 51.816,88.042 ; J4.4@51.533,88.725 cw(c50.85,88.042) 51.816,88.042 ; 51.816,88.042 cw(c52.782,88.042) J4.4@52.099,88.725 ; 51.816,88.042 cw(c52.782,88.042) J4.4@52.099,88.725 ; 51.816,88.042 cw(c52.782,88.042) J4.4@52.099,88.725 ; 51.816,88.042 cw(c52.782,88.042) J4.4@52.099,88.725 ; JU3.2@52.758,82.106 ccw(c51.99,82.874) 53.076,82.874 ; JU3.2@52.758,82.106 ccw(c51.99,82.874) 53.076,82.874 ; JU3.2@52.758,82.106 ccw(c51.99,82.874) 53.076,82.874 ; JU3.2@52.758,82.106 ccw(c51.99,82.874) 53.076,82.874 ; 53.076,82.874 ccw(c54.162,82.874) JU3.2@53.394,82.106 ; 53.076,82.874 ccw(c54.162,82.874) JU3.2@53.394,82.106 ; 53.076,82.874 ccw(c54.162,82.874) JU3.2@53.394,82.106 ; 53.076,82.874 ccw(c54.162,82.874) JU3.2@53.394,82.106 ; 71.729,27.712 cw(c70.961,26.944) JU5.2@72.047,26.944 ; 71.729,27.712 ccw(c72.497,28.48) JU5.2@72.497,27.394 ; 71.729,27.712 cw(c70.961,26.944) JU5.2@72.047,26.944 ; 71.729,27.712 ccw(c72.497,28.48) JU5.2@72.497,27.394 ; 71.729,27.712 cw(c70.961,26.944) JU5.2@72.047,26.944 ; 71.729,27.712 ccw(c72.497,28.48) JU5.2@72.497,27.394 ; 71.729,27.712 ccw(c72.497,28.48) JU5.2@72.497,27.394 ; 71.729,27.712 cw(c70.961,26.944) JU5.2@72.047,26.944 ; JU5.1@77.871,21.12 cw(c77.871,20.034) 78.639,20.802 ; JU5.1@77.871,21.12 cw(c77.871,20.034) 78.639,20.802 ; JU5.1@77.871,21.12 cw(c77.871,20.034) 78.639,20.802 ; JU5.1@77.871,21.12 cw(c77.871,20.034) 78.639,20.802 ; JU5.1@78.321,21.57 ccw(c79.407,21.57) 78.639,20.802 ; JU5.1@78.321,21.57 ccw(c79.407,21.57) 78.639,20.802 ; JU5.1@78.321,21.57 ccw(c79.407,21.57) 78.639,20.802 ; JU5.1@78.321,21.57 ccw(c79.407,21.57) 78.639,20.802 ; 80.803,18.796 cw(c80.803,17.83) U2.4@81.486,18.513 ; 80.803,18.796 ccw(c80.803,19.762) U2.4@81.486,19.079 ; 80.803,18.796 cw(c80.803,17.83) U2.4@81.486,18.513 ; 80.803,18.796 ccw(c80.803,19.762) U2.4@81.486,19.079 ; 80.803,18.796 cw(c80.803,17.83) U2.4@81.486,18.513 ; 80.803,18.796 ccw(c80.803,19.762) U2.4@81.486,19.079 ; 80.803,18.796 ccw(c80.803,19.762) U2.4@81.486,19.079 ; 80.803,18.796 cw(c80.803,17.83) U2.4@81.486,18.513 ; U2.4@82.969,18.796 ccw(c84.9,18.796) 83.535,17.43 ; U2.4@82.969,18.796 ccw(c84.9,18.796) 83.535,17.43 ; U2.4@82.969,18.796 ccw(c84.9,18.796) 83.535,17.43 ; U2.4@82.969,18.796 ccw(c84.9,18.796) 83.535,17.43
  Bottom Layer w0.7: 54.356,45.085 S1.12@54.356,58.039 ; 54.356,56.181 cw(c56.068,56.181) S1.12@54.857,57.392 ; 54.356,56.181 cw(c56.068,56.181) S1.12@54.857,57.392 ; 54.356,56.181 cw(c56.068,56.181) S1.12@54.857,57.392
  Bottom Layer w1: JU3.1@45.476,81.788 43.18,79.492 43.18,62.357 43.688,61.849 52.705,61.849 54.61,59.944 S1.12@54.61,58.039 ; 51.816,85.725 J4.4@51.816,89.408
X1-5: J4.5 JU4.1 JU4.2 U4.11 | length 89.3
  Bottom Layer w0.4: J4.5@54.002,88.654 cw(c53.149,87.801) 54.356,87.801 cw(c55.563,87.801) J4.5@54.71,88.654 ; JU4.1@88.674,64 ccw(c87.735,63.061) 87.735,64.389 ccw(c87.735,65.717) JU4.1@88.674,64.778 ; JU4.2@93.563,64.389 95.123,64.389 96.901,62.611 96.901,58.674 97.409,58.166 100.457,58.166 102.108,56.515 102.108,54.737 U4.11@99.187,51.816 ; JU4.2@93.952,64 cw(c94.891,63.061) 94.891,64.389 ; JU4.2@93.952,64 cw(c94.891,63.061) 94.891,64.389 ; JU4.2@93.952,64 cw(c94.891,63.061) 94.891,64.389 ; JU4.2@93.952,64 cw(c94.891,63.061) 94.891,64.389 ; JU4.2@93.952,64.778 ccw(c94.891,65.717) 94.891,64.389 ; JU4.2@93.952,64.778 ccw(c94.891,65.717) 94.891,64.389 ; JU4.2@93.952,64.778 ccw(c94.891,65.717) 94.891,64.389 ; JU4.2@93.952,64.778 ccw(c94.891,65.717) 94.891,64.389 ; U4.11@99.687,51.816 cw(c100.894,51.816) 100.041,52.67 ; U4.11@99.687,51.816 cw(c100.894,51.816) 100.041,52.67 ; U4.11@99.687,51.816 cw(c100.894,51.816) 100.041,52.67 ; U4.11@99.687,51.816 cw(c100.894,51.816) 100.041,52.67 ; U4.11@100.087,51.816 cw(c102.26,51.816) 100.723,53.352 ; U4.11@100.087,51.816 cw(c102.26,51.816) 100.723,53.352 ; U4.11@100.087,51.816 cw(c102.26,51.816) 100.723,53.352 ; U4.11@100.087,51.816 cw(c102.26,51.816) 100.723,53.352
  Bottom Layer w1: J4.5@54.356,89.408 54.356,87.249 77.216,64.389 JU4.1@89.063,64.389
X1-6: J2.1 J4.6 R23.1 R35.2 | length 70.3
  Bottom Layer w1: J4.6@56.896,89.408 56.896,87.884 61.087,83.693 R35.2@76.434,83.693 ; J2.1@75.184,89.027 75.184,84.943 R35.2@76.434,83.693 ; R23.1@76.307,80.01 76.434,80.137 R35.2@76.434,83.693 ; J4.6@57.096,89.008 ccw(c60.292,89.008) 58.032,86.748 ; J4.6@57.096,89.008 ccw(c60.292,89.008) 58.032,86.748 ; J4.6@57.096,89.008 ccw(c60.292,89.008) 58.032,86.748 ; J4.6@57.096,89.008 ccw(c60.292,89.008) 58.032,86.748 ; 75.227,83.693 cw(c75.227,82.486) R35.2@76.08,83.339 ; 75.227,83.693 ccw(c75.227,84.9) R35.2@76.08,84.047 ; 75.227,83.693 cw(c75.227,82.486) R35.2@76.08,83.339 ; 75.227,83.693 ccw(c75.227,84.9) R35.2@76.08,84.047 ; 75.227,83.693 cw(c75.227,82.486) R35.2@76.08,83.339 ; 75.227,83.693 ccw(c75.227,84.9) R35.2@76.08,84.047 ; 75.227,83.693 ccw(c75.227,84.9) R35.2@76.08,84.047 ; 75.227,83.693 cw(c75.227,82.486) R35.2@76.08,83.339 ; 75.58,84.547 cw(c74.727,83.693) R35.2@75.934,83.693 ; 75.58,84.547 ccw(c76.434,85.4) R35.2@76.434,84.193 ; 75.58,84.547 cw(c74.727,83.693) R35.2@75.934,83.693 ; 75.58,84.547 ccw(c76.434,85.4) R35.2@76.434,84.193 ; 75.58,84.547 cw(c74.727,83.693) R35.2@75.934,83.693 ; 75.58,84.547 ccw(c76.434,85.4) R35.2@76.434,84.193 ; 75.58,84.547 ccw(c76.434,85.4) R35.2@76.434,84.193 ; 75.58,84.547 cw(c74.727,83.693) R35.2@75.934,83.693 ; R23.1@75.953,80.364 ccw(c74.793,81.524) 76.434,81.524 ; R23.1@75.953,80.364 ccw(c74.793,81.524) 76.434,81.524 ; R23.1@75.953,80.364 ccw(c74.793,81.524) 76.434,81.524 ; R23.1@75.953,80.364 ccw(c74.793,81.524) 76.434,81.524 ; R35.2@76.08,83.339 cw(c75.227,82.486) 76.434,82.486 ; R35.2@76.08,83.339 cw(c75.227,82.486) 76.434,82.486 ; R35.2@76.08,83.339 cw(c75.227,82.486) 76.434,82.486 ; R35.2@76.08,83.339 cw(c75.227,82.486) 76.434,82.486 ; 76.434,82.486 cw(c77.641,82.486) R35.2@76.788,83.339 ; 76.434,82.486 cw(c77.641,82.486) R35.2@76.788,83.339 ; 76.434,82.486 cw(c77.641,82.486) R35.2@76.788,83.339 ; 76.434,82.486 cw(c77.641,82.486) R35.2@76.788,83.339
X1-8: J3.1 J4.8 JU1.1 JU1.2 R24.1 R33.2 | length 105.2
  Bottom Layer w0.5: J4.8@61.658,88.69 cw(c60.89,87.922) 61.976,87.922 cw(c63.062,87.922) J4.8@62.294,88.69 ; JU1.1@70.766,88.673 cw(c69.913,87.82) 71.12,87.82 cw(c72.327,87.82) JU1.1@71.474,88.673
  Bottom Layer w1: J4.8@61.976,89.408 61.976,87.122 63.5,85.598 69.723,85.598 71.12,86.995 JU1.1@71.12,89.027 ; JU1.2@71.12,93.527 85.289,93.527 J3.1@89.789,89.027 98.318,89.027 R24.1@113.939,73.406 113.939,71.795 R33.2@109.093,66.949 ; 88.765,90.051 ccw(c89.789,91.076) J3.1@89.789,89.627 ; 88.765,90.051 ccw(c89.789,91.076) J3.1@89.789,89.627 ; 88.765,90.051 ccw(c89.789,91.076) J3.1@89.789,89.627 ; 88.765,90.051 ccw(c89.789,91.076) J3.1@89.789,89.627 ; R33.2@109.093,67.449 ccw(c109.093,68.656) 109.947,67.803 ; R33.2@109.093,67.449 ccw(c109.093,68.656) 109.947,67.803 ; R33.2@109.093,67.449 ccw(c109.093,68.656) 109.947,67.803 ; R33.2@109.093,67.449 ccw(c109.093,68.656) 109.947,67.803 ; R33.2@109.593,66.949 cw(c110.8,66.949) 109.947,67.803 ; R33.2@109.593,66.949 cw(c110.8,66.949) 109.947,67.803 ; R33.2@109.593,66.949 cw(c110.8,66.949) 109.947,67.803 ; R33.2@109.593,66.949 cw(c110.8,66.949) 109.947,67.803 ; 113.085,74.26 cw(c112.232,73.406) R24.1@113.439,73.406 ; 113.085,74.26 ccw(c113.939,75.113) R24.1@113.939,73.906 ; 113.085,74.26 cw(c112.232,73.406) R24.1@113.439,73.406 ; 113.085,74.26 ccw(c113.939,75.113) R24.1@113.939,73.906 ; 113.085,74.26 cw(c112.232,73.406) R24.1@113.439,73.406 ; 113.085,74.26 ccw(c113.939,75.113) R24.1@113.939,73.906 ; 113.085,74.26 ccw(c113.939,75.113) R24.1@113.939,73.906 ; 113.085,74.26 cw(c112.232,73.406) R24.1@113.439,73.406 ; R24.1@113.585,73.052 cw(c112.732,72.199) 113.939,72.199 ; R24.1@113.585,73.052 cw(c112.732,72.199) 113.939,72.199 ; R24.1@113.585,73.052 cw(c112.732,72.199) 113.939,72.199 ; R24.1@113.585,73.052 cw(c112.732,72.199) 113.939,72.199 ; 113.939,72.199 cw(c115.146,72.199) R24.1@114.293,73.052 ; 113.939,72.199 cw(c115.146,72.199) R24.1@114.293,73.052 ; 113.939,72.199 cw(c115.146,72.199) R24.1@114.293,73.052 ; 113.939,72.199 cw(c115.146,72.199) R24.1@114.293,73.052
pads on no net: S1.8 S1.9 U3.8

## Keep-outs
Keep-Out Layer:
  the board outline again, w0.254

## Other copper
Bottom Layer:
  text "6IX & S3VEN" at 113.919,77.978 h2 r315

## Dimensions
116.205,95.885 to 116.205,0 on Keep-Out Layer
0,95.885 to 116.205,95.885 on Keep-Out Layer

## Text inside footprints (layer, text, board x,y; h text height)
S1: Top Overlay "8" at 47.244,64.364 h0.7 r180; Top Overlay "7" at 49.805,64.364 h0.7 r180; Top Overlay "6" at 52.365,64.364 h0.7 r180; Top Overlay "5" at 54.926,64.364 h0.7 r180; Top Overlay "4" at 57.486,64.364 h0.7 r180; Top Overlay "3" at 60.047,64.364 h0.7 r180; Top Overlay "2" at 62.607,64.364 h0.7 r180; Top Overlay "1" at 64.871,64.364 h0.7 r180; Top Overlay "ON" at 63.98,59.254 h0.8